# Altium PCB SPEC-A7.PcbDoc (part 1 of 10) (continued)
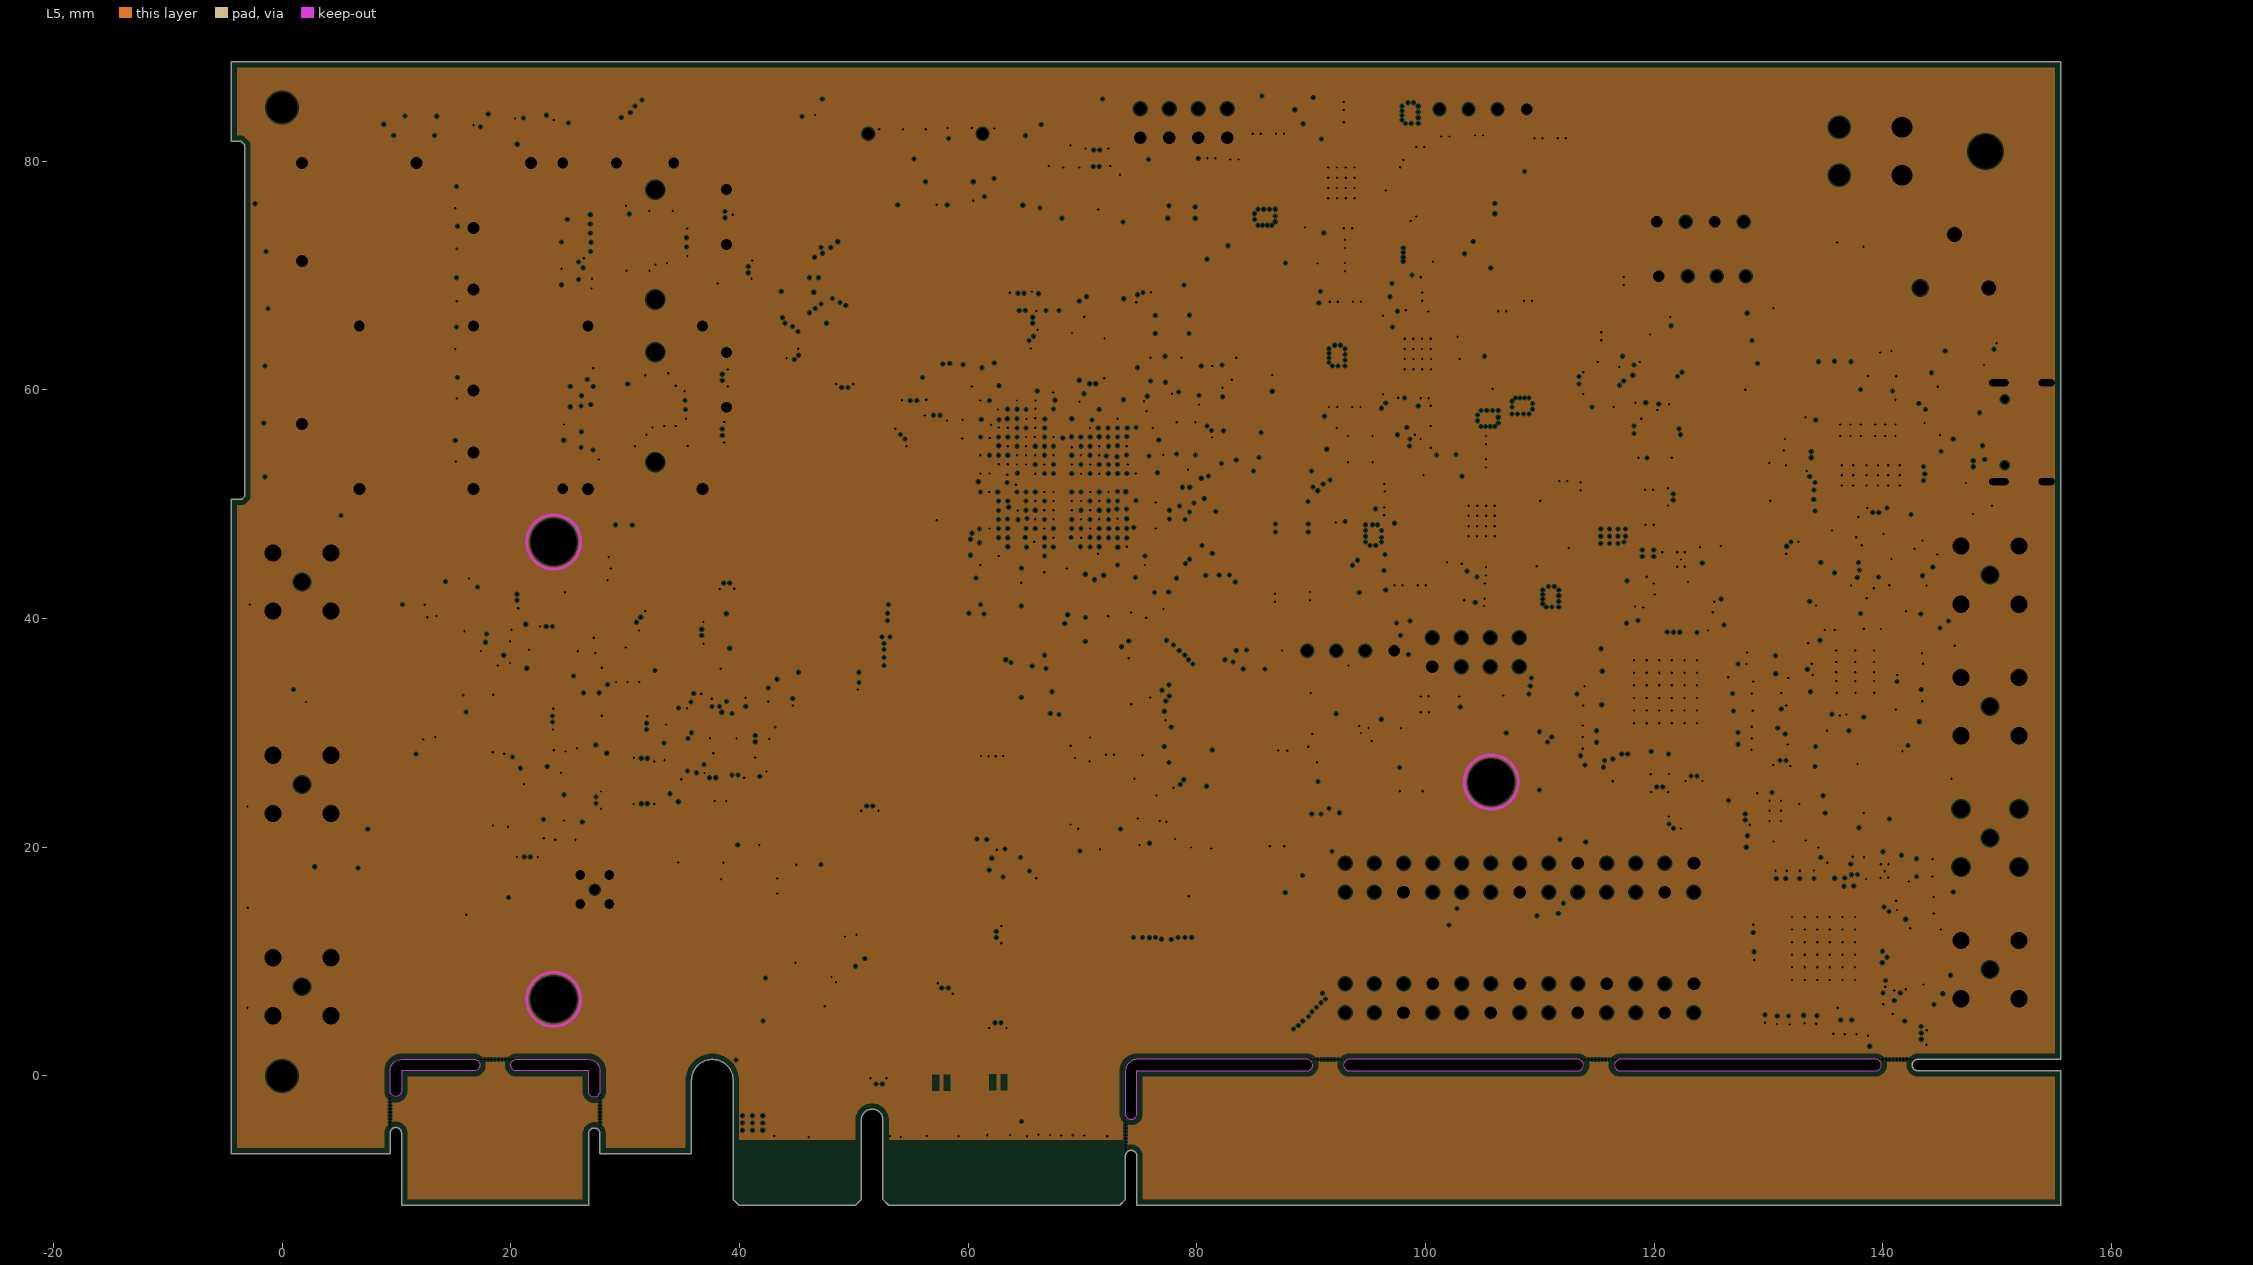
[diagram p5: L5, clearances drawn from the general rule]
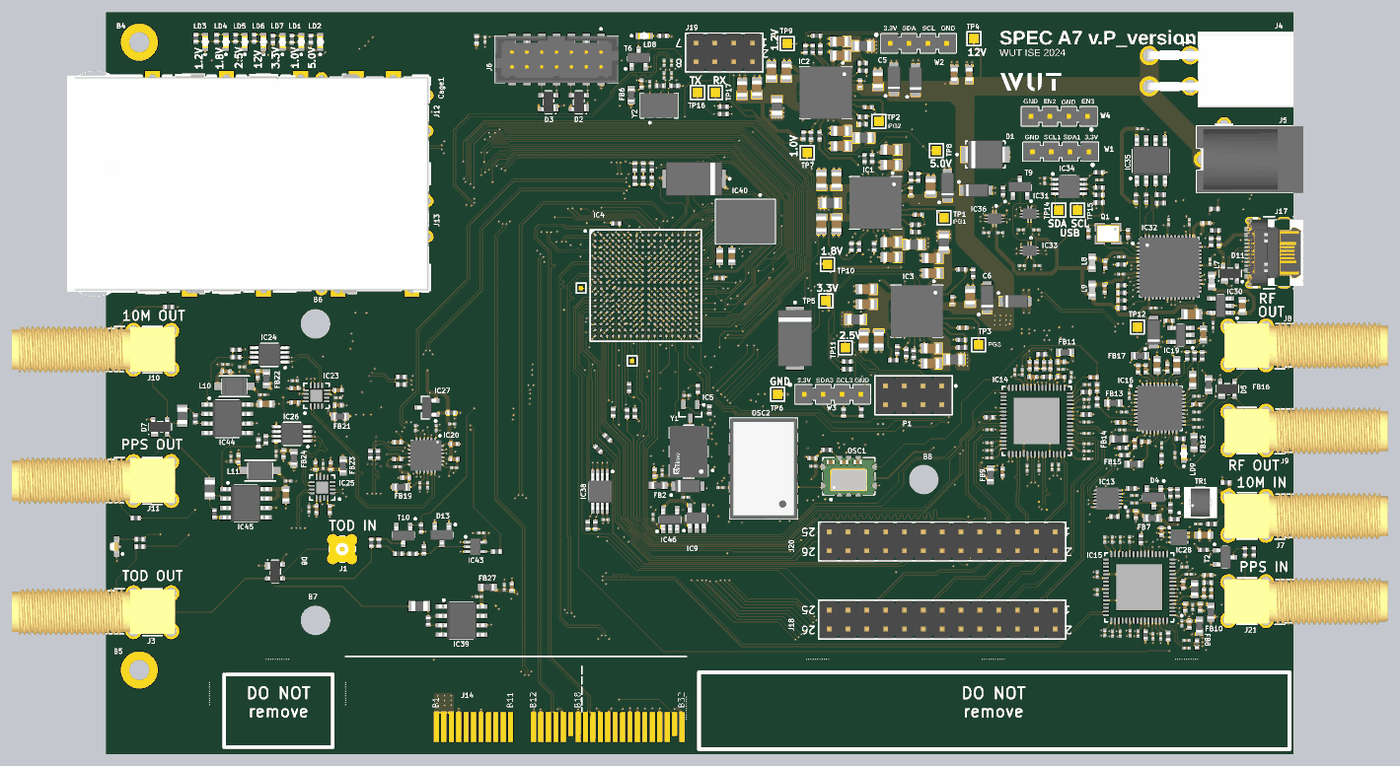
[diagram p15: 3D render of the assembled board from above, using the file's embedded part models]
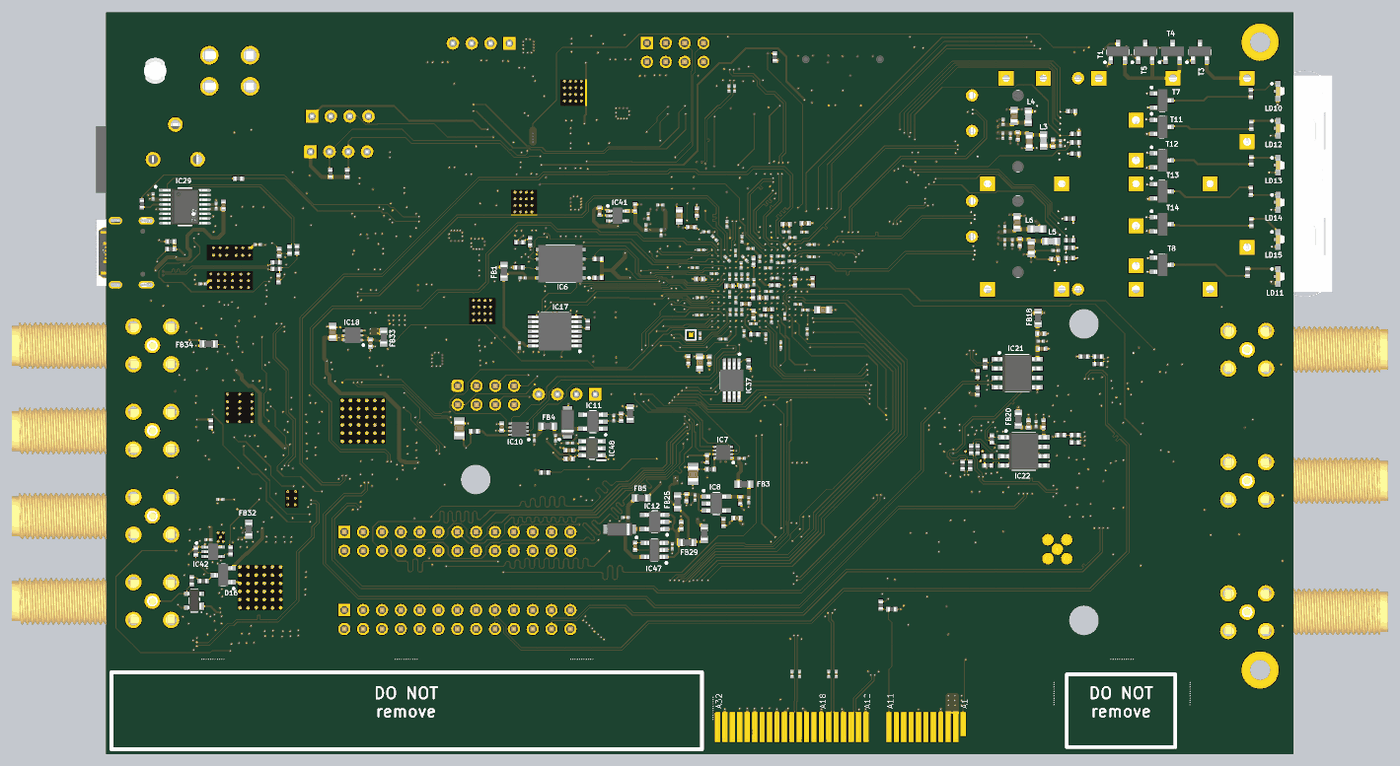
[diagram p16: 3D render of the assembled board from below, using the file's embedded part models]

## Layer stack, top to bottom
Top Solder: solder mask 0.01, Solder Resist, Dk 3.5
Top Layer: signal copper 0.035
Dielectric1: prepreg 0.1, FR-4, Dk 4.7
L2: plane copper 0.035, net GND
Dielectric5: core 0.1, FR-4, Dk 4.7
L3: signal copper 0.035
Dielectric2: prepreg 1, FR-4, Dk 4.8
L4: signal copper 0.035
Dielectric3: core 0.1, FR-4, Dk 4.7
L5: plane copper 0.035, net GND
Dielectric4: prepreg 0.1, FR-4, Dk 4.7
Bottom Layer: signal copper 0.035
Bottom Solder: solder mask 0.01, Solder Resist, Dk 3.5

## Board outline
-4.45,-6.801 9.45,-6.801 9.45,-5 cw(c9.95,-5) 9.95,-4.5 cw(c9.95,-5) 10.45,-5 10.45,-11.3 26.8,-11.3 26.8,-8.363 26.8,-5.051 cw(c27.3,-5.051) 27.3,-4.551 cw(c27.3,-5.051) 27.8,-5.051 27.8,-6.801 35.8,-6.801 35.8,-0.376 cw(c37.625,-0.376) 39.45,-0.376 39.45,-10.801 39.95,-11.301 50.15,-11.301 50.65,-10.801 50.65,-3.85 cw(c51.6,-3.85) 52.55,-3.85 52.55,-10.801 53.05,-11.301 73.25,-11.301 73.75,-10.801 73.75,-7.988 73.75,-7 cw(c74.25,-7) 74.25,-6.5 cw(c74.25,-7) 74.75,-7 74.75,-11.301 155.55,-11.301 155.55,0.452 143.053,0.452 cw(c143.053,0.952) 142.553,0.952 cw(c143.053,0.952) 143.053,1.452 155.55,1.452 155.55,1.449 155.55,88.699 -4.45,88.699 -4.45,81.74 -3.59,81.74 -3.25,81.4 -3.25,78.5 -3.25,52.9 -3.25,50.675 -3.275,50.675 -3.5,50.45 -4.45,50.45
cut-out: 116.515,0.948 ccw(c117.015,0.948) 117.015,0.448 139.353,0.448 139.353,0.452 ccw(c139.353,0.952) 139.853,0.952 ccw(c139.353,0.952) 139.353,1.452 139.353,1.448 117.015,1.448 ccw(c117.015,0.948)
cut-out: 92.821,0.949 ccw(c93.321,0.949) 93.321,0.449 113.315,0.449 113.315,0.448 ccw(c113.315,0.948) 113.815,0.948 ccw(c113.315,0.948) 113.315,1.448 113.315,1.449 93.321,1.449 ccw(c93.321,0.949)
cut-out: 73.75,-3.3 ccw(c74.25,-3.3) 74.25,-3.8 ccw(c74.25,-3.3) 74.75,-3.3 74.75,0.449 89.621,0.449 ccw(c89.621,0.949) 90.121,0.949 ccw(c89.621,0.949) 89.621,1.449 74.75,1.449 ccw(c74.75,0.449) 73.75,0.449
cut-out: 20.5,0.449 cw(c20.5,0.949) 20,0.949 cw(c20.5,0.949) 20.5,1.449 22.712,1.449 26.8,1.449 cw(c26.8,0.449) 27.8,0.449 27.8,-1.351 cw(c27.3,-1.351) 27.3,-1.851 cw(c27.3,-1.351) 26.8,-1.351 26.8,0.449 22.712,0.449
cut-out: 9.95,-1.8 cw(c9.95,-1.3) 9.45,-1.3 9.45,0.449 cw(c10.45,0.449) 10.45,1.449 14.537,1.449 16.8,1.449 cw(c16.8,0.949) 17.3,0.949 cw(c16.8,0.949) 16.8,0.449 14.537,0.449 10.45,0.449 10.45,-1.3 cw(c9.95,-1.3)

## Design rules (kind name [scope] priority, off if disabled: settings)
Clearance [All] p1: gap=0.127 ignorepadtopadclearanceinfootprint=FALSE except(0.102: Arc-Fill Arc-Poly Arc-Region Track-Fill Track-Poly Track-Region SMDPad-Fill SMDPad-Poly SMDPad-Region THPad-Fill THPad-Poly THPad-Region Via-Fill Via-Poly Via-Region Fill-Fill Fill-Poly Fill-Region Poly-Poly Poly-Region Region-Region)
ComponentClearance ComponentClearance_panel [Identifier='LAN Card PCI Express Bracket'] p1: gap=-1 collisioncheckmode=3 verticalgap=-1 showdistances=FALSE
ComponentClearance [All] p2: gap=0.254 collisioncheckmode=3 verticalgap=0.254 showdistances=FALSE
DiffPairsRouting DiffPairsRouting_90Ohm [InDifferentialPairClass('Diff_90Ohm')] p1: maxlimit=0.25 minlimit=0.127 mostfreqgap=0.25 toplayer_maxgap=0.127 toplayer_prefgap=0.127 toplayer_minwidth=0.135 toplayer_maxwidth=0.135 toplayer_prefwidth=0.135 midlayer1_mingap=0.25 midlayer1_minwidth=0.105 midlayer1_maxwidth=0.105 midlayer1_prefwidth=0.105 midlayer2_mingap=0.25 midlayer2_minwidth=0.105 midlayer2_maxwidth=0.105 midlayer2_prefwidth=0.105 bottomlayer_maxgap=0.127 bottomlayer_prefgap=0.127 bottomlayer_minwidth=0.135 bottomlayer_maxwidth=0.135 bottomlayer_prefwidth=0.135 impedanceprofiledriven=TRUE impedanceprofileid={2B8C7A7F-9419-46E3-8E7B-98321EDBE8F8} impedanceprofilevalue=90.000000 maxuncoupledlength=12.7
DiffPairsRouting [All] p2: maxlimit=0.5 minlimit=0.203 mostfreqgap=0.5 toplayer_maxgap=0.203 toplayer_prefgap=0.203 toplayer_minwidth=0.127 toplayer_maxwidth=0.127 toplayer_prefwidth=0.127 midlayer1_mingap=0.5 midlayer1_minwidth=0.105 midlayer1_maxwidth=0.105 midlayer1_prefwidth=0.105 midlayer2_mingap=0.5 midlayer2_minwidth=0.105 midlayer2_maxwidth=0.105 midlayer2_prefwidth=0.105 bottomlayer_maxgap=0.203 bottomlayer_prefgap=0.203 bottomlayer_minwidth=0.127 bottomlayer_maxwidth=0.127 bottomlayer_prefwidth=0.127 impedanceprofiledriven=TRUE impedanceprofileid={423340E5-958B-4755-B07E-32FED86A85B5} impedanceprofilevalue=100.000000 maxuncoupledlength=12.7
HoleSize [All] p1: absolutevalues=TRUE maxlimit=25.4 minlimit=0.025 maxpercent=80.000 minpercent=20.000
HoleToHoleClearance [All] p1: gap=0.127 allowstackedmicrovias=TRUE
Length [All] p1 off: maxlimit=2540 minlimit=0
MatchedLengths MatchedLengths_RGMI_Rx [InxSignalClass('RGMII_Rx')] p1: tolerance=0.508 checknetsindiffpair=FALSE checkdiffpairvsdiffpair=TRUE checkxsignals=TRUE checkothers=TRUE usedelayunits=TRUE delaytolerance=5.000000
MatchedLengths MatchedLengths_RGMI_Tx [InxSignalClass('RGMII_TX')] p2: tolerance=0.508 checknetsindiffpair=FALSE checkdiffpairvsdiffpair=TRUE checkxsignals=TRUE checkothers=TRUE usedelayunits=TRUE delaytolerance=5.000000
MatchedLengths [All] p3: tolerance=0.508 checknetsindiffpair=TRUE checkdiffpairvsdiffpair=FALSE checkxsignals=FALSE checkothers=FALSE
MinimumSolderMaskSliver [All] p1 off: minsoldermaskwidth=0.025
PlaneClearance [All] p1: clearance=0.127
PlaneConnect [All] p1: pad.planeconnectstyle=Relief pad.reliefexpansion=0.127 pad.reliefentries=4 pad.reliefconductorwidth=0.254 pad.reliefairgap=0.127 via.planeconnectstyle=Direct via.reliefexpansion=0.508 via.reliefentries=4 via.reliefconductorwidth=0.254 via.reliefairgap=0.254
PolygonConnect [All] p1: thpad.connectstyle=Relief thpad.reliefconductorwidth=0.254 thpad.reliefentries=4 thpad.polygonreliefangle="90 Angle" thpad.airgapwidth=0.127 smdpad.connectstyle=Relief smdpad.reliefconductorwidth=0.254 smdpad.reliefentries=4 smdpad.polygonreliefangle="90 Angle" smdpad.airgapwidth=0.254 via.connectstyle=Direct via.reliefconductorwidth=0.254 via.reliefentries=4 via.polygonreliefangle="90 Angle" via.airgapwidth=0.254
RoutingVias [All] p1: holewidth=0.2 width=0.4 viastyle="Through Hole" minholewidth=0.2 minwidth=0.4 maxholewidth=0.711 maxwidth=1.27
SilkToSilkClearance [All] p1: silktosilkclearance=0.025
SilkToSolderMaskClearance [All] p1: minsilkscreentomaskgap=0.025 clearancetoexposedcopper=TRUE
SolderMaskExpansion SolderMaskExpansion_Via [IsVia] p1: expansion=0.102 istentingtop=TRUE
SolderMaskExpansion SolderMaskExpansion_default [All] p2: expansion=0.102 istentingtop=FALSE
SupplyNets "Schematic Supply Nets_23" [InNet('P3V0_REF')] p1: voltage=0.000
SupplyNets "Schematic Supply Nets_22" [InNet('GND')] p2: voltage=0.000
SupplyNets "Schematic Supply Nets_21" [InNet('P2V5')] p3: voltage=0.000
SupplyNets "Schematic Supply Nets_20" [InNet('MGTAVTT')] p4: voltage=0.000
SupplyNets "Schematic Supply Nets_19" [InNet('Spare1V')] p5: voltage=0.000
SupplyNets "Schematic Supply Nets_18" [InNet('P12V0')] p6: voltage=0.000
SupplyNets "Schematic Supply Nets_17" [InNet('P3V3PLL2')] p7: voltage=0.000
SupplyNets "Schematic Supply Nets_16" [InNet('P3V0_VCXO_DDMTD')] p8: voltage=0.000
SupplyNets "Schematic Supply Nets_15" [InNet('P3V3')] p9: voltage=0.000
SupplyNets "Schematic Supply Nets_14" [InNet('P3V0_VCXO')] p10: voltage=0.000
SupplyNets "Schematic Supply Nets_13" [InNet('P5V0')] p11: voltage=0.000
SupplyNets "Schematic Supply Nets_12" [InNet('P1V8')] p12: voltage=0.000
SupplyNets "Schematic Supply Nets_11" [InNet('MGTAVCC')] p13: voltage=0.000
SupplyNets "Schematic Supply Nets_10" [InNet('VCCADC')] p14: voltage=0.000
SupplyNets "Schematic Supply Nets_9" [InNet('P3V0_DAC_DDMTD')] p15: voltage=0.000
SupplyNets "Schematic Supply Nets_8" [InNet('VTT')] p16: voltage=0.000
SupplyNets "Schematic Supply Nets_7" [InNet('P1V0')] p17: voltage=0.000
SupplyNets "Schematic Supply Nets_6" [InNet('P1V8_USB')] p18: voltage=0.000
SupplyNets "Schematic Supply Nets_5" [InNet('P3V0_DAC')] p19: voltage=0.000
SupplyNets "Schematic Supply Nets_4" [InNet('P2V7')] p20: voltage=0.000
SupplyNets "Schematic Supply Nets_3" [InNet('P3V3_USB')] p21: voltage=0.000
SupplyNets "Schematic Supply Nets_2" [InNet('P3V3PLL1')] p22: voltage=0.000
SupplyNets "Schematic Supply Nets_1" [InNet('P3V6_CLK')] p23: voltage=0.000
SupplyNets "Schematic Supply Nets" [InNet('P3V3LMX')] p24: voltage=0.000
UnRoutedNet [All] p1: checkbadconnections=TRUE
Width Width_50Ohm [InNetClass('50_Ohm')] p1: maxlimit=0.155 minlimit=0.105 preferedwidth=0.155 toplayer_minwidth=0.155 midlayer1_maxwidth=0.105 midlayer1_prefwidth=0.105 midlayer2_maxwidth=0.105 midlayer2_prefwidth=0.105 bottomlayer_minwidth=0.155 impedanceprofiledriven=TRUE impedanceprofileid={798C5C5B-035C-4692-9455-488A06A212AE} impedanceprofilevalue=50.000000 minimp=50.000000 maximp=50.000000 favimp=50.000000
Width [All] p2: maxlimit=2.54 minlimit=0.127 preferedwidth=0.254
20 further rules are at their usual default settings.

## Classes and differential pairs
net class 50_Ohm: DLY0_SE DLY1_SE EXT_TOD_IN NetC166_1 NetC166_2 NetC221_2 NetC223_2 NetD6_3 NetD8_2 NetIC4_P6 NetIC4_R5 NetIC4_T4 NetIC4_U1 NetIC4_U5 NetIC4_U6 NetIC44_2 NetJ7_1 RGMII_RX_CLK RGMII_RX_DV RGMII_RXD0 RGMII_RXD1 RGMII_RXD2 RGMII_RXD3 RGMII_TX_CLK RGMII_TX_EN RGMII_TXD0 RGMII_TXD1 RGMII_TXD2 RGMII_TXD3
component class U_PPS_IN: C351 D6 D16 IC42 J21 R80 R83 R84 R165 R166 R177 R178 T2
component class U_TOD: C54 C303 C324 C325 D8 D13 FB27 IC39 IC43 J1 J3 R123 R148 R149 R150 R151 R152 R153 R154 R155 T10
net class DDMTD: CLK_25M_DMTD DDMTD_LDAC DDMTD_SCLK DDMTD_SDI DDMTD_SDO DDMTD_SYNC
net class RGMII: RGMII_RX_CLK RGMII_RX_DV RGMII_RXD0 RGMII_RXD1 RGMII_RXD2 RGMII_RXD3 RGMII_TX_CLK RGMII_TX_EN RGMII_TXD0 RGMII_TXD1 RGMII_TXD2 RGMII_TXD3
net class MISC: GPIO0 GPIO1 GPIO2 GPIO3 GPIO4 I2C_SCL I2C_SDA
net class SFP1: SFP1_DISABLE SFP1_FAULT SFP1_LOSE SFP1_MODE0 SFP1_MODE1 SFP1_MODE2 SFP1_RS SFP_1.LED
net class SFP0: SFP0_DISABLE SFP0_FAULT SFP0_LOSE SFP0_MODE0 SFP0_MODE1 SFP0_MODE2 SFP0_RS SFP_0.LED
net class PLL: PLL_CS PLL_LOCK PLL_REFSEL PLL_RESET PLL_SCLK PLL_SDI PLL_SDO PLL_STAT PLL_SYNC
net class LMX: LMX_CS LMX_SCK LMX_SDI LMX_SYNC
net class EPLL: EXT_PLL_CS EXT_PLL_LOCK EXT_PLL_REFSEL EXT_PLL_SCLK EXT_PLL_SDI EXT_PLL_SDO EXT_PLL_STAT EXT_PLL_SYNC EXT_RESET
differential pair class Diff_100Ohm: SFP0_I SFP0_O SFP1_I SFP1_O
differential pair class Diff_90Ohm: USB_D_R
net class PWR: NetC13_2 NetC19_2 NetC22_2 NetC26_2 NetC28_2 NetC34_2 NetC39_2 NetC41_2 P12V0 Spare1V
component class U_XO_125M: C163 C164 FB6 R55 R56 Y2
component class U_VCXO_25M_PTP: C148 C149 C150 C151 C152 C153 C154 C155 C156 C157 C158 C159 C160 C161 C162 C337 C339 FB4 FB5 FB28 FB29 IC10 IC11 IC12 IC47 OSC1 OSC2 R52 R53 R202 R206
component class U_VCXO_25M_DDMTD: C135 C136 C137 C138 C139 C140 C141 C142 C143 C144 C145 C146 C147 C338 C343 C344 C345 FB2 FB3 FB25 FB26 IC7 IC8 IC9 IC46 IC48 R51 Y1
component class U_USB_Serial_Quad: C52 C297 C298 C299 C300 C301 C302 C304 C305 C306 C307 C308 C309 C310 C311 C312 C313 C314 C315 C316 C317 C318 C319 C320 C321 C322 C323 C331 C333 C334 D11 IC29 IC30 IC31 IC32 IC33 IC34 IC35 IC36 J17 L7 L8 L9 Q1 R105 R106 R107 R108 R109 R110 R111 R112 R113 R114 R115 R116 R117 R118 R119 R120 R121 R122 R169 R171 R172 R173 R174 R175 R176 R200 T9 TP14 TP15 TP16 TP17
component class U_SFP: C281 C282 C283 C284 C285 C286 C287 C288 C289 C290 C291 C292 C293 C294 C295 C296 Cage1 J12 J13 L3 L4 L5 L6 LD10 LD11 R94 R95 R96 R97 R98 R99 R100 R101 R102 R103 T7 T8
component class U_Power: C1 C2 C3 C4 C5 C6 C7 C8 C9 C10 C11 C12 C13 C14 C15 C16 C17 C18 C19 C20 C21 C22 C23 C24 C25 C26 C27 C28 C29 C30 C31 C32 C34 C35 C36 C37 C39 C40 C41 C42 C43 D1 IC1 IC2 IC3 J4 J5 LD1 LD2 LD3 LD4 LD5 LD6 LD7 PM1 R3 R4 R5 R6 R7 R8 R9 R10 R11 R12 R13 R14 R15 R16 R17 R18 R19 R20 R21 R22 R23 R24 R25 R26 R27 R28 R29 R30 R31 R32 R33 R34 R35 R36 R37 R38 R39 R78 R135 R136 R145 R146 R179 R180 R181 R182 R183 R184 R185 R201 R203 T1 T3 T4 T5 TP1 TP2 TP3 TP4 TP5 TP6 TP7 TP8 TP9 TP10 TP11 W1 W2 W3 W4
component class U_PCIe: J14 R104 R204
component class U_Misc: B4 B5 B6 B7 B8 IC37 J19 LD12 LD13 LD14 LD15 R124 R125 R126 R127 R128 R129 R130 R131 R132 R133 R134 T11 T12 T13 T14
component class U_FPGA_PWR_CONFIG: C56 C57 C58 C59 C60 C61 C62 C63 C64 C65 C66 C67 C68 C69 C70 C71 C72 C73 C74 C75 C76 C77 C78 C79 C80 C81 C82 C83 C84 C85 C86 C87 C88 C89 C90 C91 C92 C93 C94 C95 C96 C97 C98 C99 C100 C101 C102 C103 C104 C105 C106 C107 C108 C109 C110 C111 C112 C113 C114 C115 C116 C117 C118 C119 C120 C121 C122 C123 C124 C125 C126 C127 C128 C129 C130 C131 C132 C133 C134 C332 D2 D3 FB1 IC5 IC6 IC17 J6 L1 L2 LD8 P1 R43 R44 R45 R46 R47 R48 R49 R50 R54 R147 R170 T6
component class U_FPGA_MGT: C44 C45 C46 C47 C48 C49 C50 C51 C53 C55 C335 C336 R42
component class U_FPGA_34: C33 IC38 R40 R41 R159 R160 R161 R162 R163 R164 TP18 TP19
component class U_FPGA_14_15: C326 C327 C328 C329 C330 IC4 IC40 IC41 LD16 LD17 LD18 LD19 R186 R187 R188 R189 TP13
component class U_Ext_connectors: J18 J20
component class U_DIFF_DELAY_FANOUT: C247 C248 C249 C250 C251 C252 C253 C254 C255 C256 C257 C258 C259 C260 C261 C262 C263 C264 C265 C266 C267 C268 C269 C270 C271 C272 C273 C274 C275 C276 C277 C278 C279 C280 C341 C342 C352 C353 C354 C355 C356 C357 D7 FB18 FB19 FB20 FB21 FB22 FB23 FB24 IC20 IC21 IC22 IC23 IC24 IC25 IC26 IC27 IC44 IC45 J10 J11 L10 L11 R85 R86 R87 R88 R89 R90 R91 R92 R93 R137 R138 R139 R140 R141 R142 R143 R144 R167 R168 R190 R191 R192 R193 R194 R195 R196 R197 R198 R199
component class U_Clocks_PLL: C38 C165 C166 C167 C168 C169 C170 C171 C172 C173 C174 C175 C176 C177 C178 C179 C180 C181 C182 C183 C184 C185 C186 C187 C188 C189 C190 C191 C192 C193 C194 C195 C196 C197 C198 C199 C200 C201 C202 C203 C204 C205 C206 C207 C208 C209 C210 C211 C212 C213 C214 C215 C216 C217 C218 C219 C220 C221 C222 C223 C224 C225 C226 C227 C228 C229 C230 C231 C232 C233 C234 C235 C236 C237 C238 C239 C240 C241 C242 C243 C244 C245 C246 C340 D4 D5 FB7 FB8 FB9 FB10 FB11 FB12 FB13 FB14 FB15 FB16 FB17 FB32 FB33 FB34 IC13 IC14 IC15 IC16 IC18 IC19 IC28 J7 J8 J9 LD9 R57 R58 R59 R60 R61 R62 R63 R64 R65 R66 R67 R68 R69 R70 R71 R72 R73 R74 R75 R76 R77 R79 R81 R82 R156 R157 R158 TP12 TR1
component class SPEC-A7-TOP: R1 R2
differential pair PCIe_REFCLK: +PCIe_REFCLK_P -PCIe_REFCLK_N
differential pair C: +C_P -C_N
differential pair CR: +CR_P -CR_N
differential pair PCIe_PET1: +PCIe_PET1_P -PCIe_PET1_N
differential pair PCIe_PET0: +PCIe_PET0_P -PCIe_PET0_N
differential pair PCIe_PER1: +PCIe_PER1_P -PCIe_PER1_N
differential pair PCIe_PER0: +PCIe_PER0_P -PCIe_PER0_N
differential pair DELAY_Q1: +DELAY_Q1_P -DELAY_Q1_N
differential pair DELAY_Q0: +DELAY_Q0_P -DELAY_Q0_N
differential pair SYNC_DATA1: +SYNC_DATA1_P -SYNC_DATA1_N
differential pair SYNC_DATA0: +SYNC_DATA0_P -SYNC_DATA0_N
differential pair 62_5MHZ: +62_5MHZ_P -62_5MHZ_N
differential pair CLK_125M: +CLK_125M_P -CLK_125M_N
differential pair USB_D_R: +USB_D_R_P -USB_D_R_N
differential pair SFP1_O: +SFP1_O_P -SFP1_O_N
differential pair SFP1_I: +SFP1_I_P -SFP1_I_N
differential pair SFP0_O: +SFP0_O_P -SFP0_O_N
differential pair SFP0_I: +SFP0_I_P -SFP0_I_N
differential pair PET1: +PET1_P -PET1_N
differential pair PET0: +PET0_P -PET0_N
differential pair OUT_3: +OUT_3_P -OUT_3_N
differential pair OUT_2: +OUT_2_P -OUT_2_N
differential pair MGTREFCLK1: +MGTREFCLK1_P -MGTREFCLK1_N
differential pair MGTREFCLK0: +MGTREFCLK0_P -MGTREFCLK0_N
differential pair GTP_CLK_REF: +GTP_CLK_REF_P -GTP_CLK_REF_N
differential pair FPGA_GCLK: +FPGA_GCLK_P -FPGA_GCLK_N
differential pair EXT_CLK: +EXT_CLK_P -EXT_CLK_N
differential pair EXT_CLK_9: +EXT_CLK_9_P -EXT_CLK_9_N
differential pair EXT_CLK_6: +EXT_CLK_6_P -EXT_CLK_6_N
differential pair EXT_CLK_5: +EXT_CLK_5_P -EXT_CLK_5_N
differential pair EXT_CLK_4: +EXT_CLK_4_P -EXT_CLK_4_N
differential pair EXT_CLK_1: +EXT_CLK_1_P -EXT_CLK_1_N
differential pair EXT_CLK_0: +EXT_CLK_0_P -EXT_CLK_0_N
differential pair DLY_Q1: +DLY_Q1_P -DLY_Q1_N
differential pair DLY_Q1_SE: +DLY_Q1_SE_P -DLY_Q1_SE_N
differential pair DLY_Q0: +DLY_Q0_P -DLY_Q0_N
differential pair DLY_Q0_SE: +DLY_Q0_SE_P -DLY_Q0_SE_N
differential pair DFF_Q1: +DFF_Q1_P -DFF_Q1_N
differential pair DFF_Q0: +DFF_Q0_P -DFF_Q0_N
differential pair 125M_CLK: +125M_CLK_P -125M_CLK_N

## Components (designator, comment, footprint, x,y, rotation, side; value= is the part's Value field where it differs from the comment)
B4 "Plated Hole" MTG270_500 0,84.7 r0 top
B5 "Plated Hole" MTG270_500 0,0 r0 top
B6 "Non Plated Hole" MTG400 23.75,46.7 r0 top
B7 "Non Plated Hole" MTG400 23.75,6.7 r0 top
B8 "Non Plated Hole" MTG400 105.75,25.7 r0 top
C1 "10uF" CAPMP3216X180N 112.771,64.722 r0 top
C2 "10uF" CAPMP3216X180N 104.643,79.597 r90 top
C3 "10uF" CAPMP3216X180N 118.105,49.736 r0 top
C4 "10uF" CAPMP3216X180N 108.961,65.357 r90 top
C5 "10uF" CAPMP3216X180N 101.722,79.724 r90 top
C6 "10uF" CAPMP3216X180N 114.295,50.244 r90 top
C7 "100nF" CAPC1005X55N 104.008,64.595 r270 top
C8 "100nF" CAPC1005X55N 97.15,79.089 r270 top
C9 "100nF" CAPC1005X55N 109.596,49.863 r270 top
C10 "22uF" CAPC2012X135N 106.675,65.23 r270 top
C11 "22uF" CAPC2012X135N 99.563,79.597 r270 top
C12 "22uF" CAPC2012X135N 112.009,50.371 r270 top
C13 "22uF" CAPC2012X135N 91.943,60.15 r90 top
C14 "22uF" CAPC2012X135N 93.975,60.15 r90 top
C15 "22uF" CAPC2012X135N 93.975,66.119 r270 top
C16 "22uF" CAPC2012X135N 91.943,66.119 r270 top
C17 "22uF" CAPC2012X135N 101.341,70.183 r0 top
C18 "22uF" CAPC2012X135N 101.341,68.151 r0 top
C19 "22uF" CAPC2012X135N 101.341,55.705 r0 top
C20 "22uF" CAPC2012X135N 101.341,57.737 r0 top
C21 "1uF" CAPC1005X55N 105.024,61.42 r180 top
C22 "22uF" CAPC2012X135N 87.244,80.74 r270 top
C23 "22uF" CAPC2012X135N 81.25,78.4 r270 top
C24 "22uF" CAPC2012X135N 83.25,78.5 r270 top
C25 "22uF" CAPC2012X135N 85.212,80.74 r270 top
C26 "22uF" CAPC2012X135N 94.5,84.8 r0 top
C27 "22uF" CAPC2012X135N 94.5,82.9 r0 top
C28 "22uF" CAPC2012X135N 94.61,72.739 r0 top
C29 "22uF" CAPC2012X135N 94.61,70.707 r0 top
C30 "1uF" CAPC1005X55N 98.293,75.914 r180 top
C31 "10uF" CAPC1608X80N 111.882,80.359 r270 top
C32 "10uF" CAPC1608X80N 109.85,80.359 r270 top
C33 "100nF" CAPC0603X33N 62.86,20.272 r0 top
C34 "22uF" CAPC2012X135N 99.69,44.564 r90 top
C35 "22uF" CAPC2012X135N 97.658,44.564 r90 top
C36 "22uF" CAPC2012X135N 98.039,51.387 r0 top
C37 "22uF" CAPC2012X135N 98.039,49.355 r0 top
C38 "100nF" CAPC0603X33N 127.75,38.5 r180 top
C39 "22uF" CAPC2012X135N 106.929,55.578 r0 top
C40 "22uF" CAPC2012X135N 106.929,53.546 r0 top
C41 "22uF" CAPC2012X135N 106.802,43.386 r0 top
C42 "22uF" CAPC2012X135N 106.802,41.354 r0 top
C43 "1uF" CAPC1005X55N 110.993,46.18 r180 top
C44 "100nF" CAPC0603X33N 71.75,80.216 r90 top
C45 "100nF" CAPC0603X33N 70.734,80.216 r90 top
C46 "100nF" CAPC0603X33N 123.924,27.385 r270 top
C47 "100nF" CAPC0603X33N 123.035,27.385 r270 top
C48 "100nF" CAPC0603X33N 71.623,78.438 r270 bottom
C49 "100nF" CAPC0603X33N 57.145,-0.556 r270 bottom
C50 "100nF" CAPC0603X33N 70.861,78.438 r270 bottom
C51 "100nF" CAPC0603X33N 58.161,-0.556 r270 bottom
C52 "22uF" CAPC2012X135N 141.85,48 r0 top
C53 "100nF" CAPC0603X33N 62.098,-0.556 r270 bottom
C54 "100nF" CAPC0603X33N 46.099,18.482 r0 top
C55 "100nF" CAPC0603X33N 63.114,-0.556 r270 bottom
C56 "4.7uF" CAPC1005X55N 63.889,60.15 r180 bottom
C57 "100nF" CAPC0603X33N 63.87,59.135 r180 bottom
C58 "100nF" CAPC0603X33N 63.84,57.092 r45 bottom
C59 "100nF" CAPC0603X33N 64.674,55.845 r180 bottom
C60 "100nF" CAPC0603X33N 64.684,54.934 r180 bottom
C61 "100nF" CAPC0603X33N 63.059,58.343 r0 bottom
C62 "100nF" CAPC0603X33N 60.447,55.755 r0 bottom
C63 "100nF" CAPC0603X33N 60.447,57.407 r0 bottom